# KiCad board panel.opm-inline.kicad_pcb (continued)
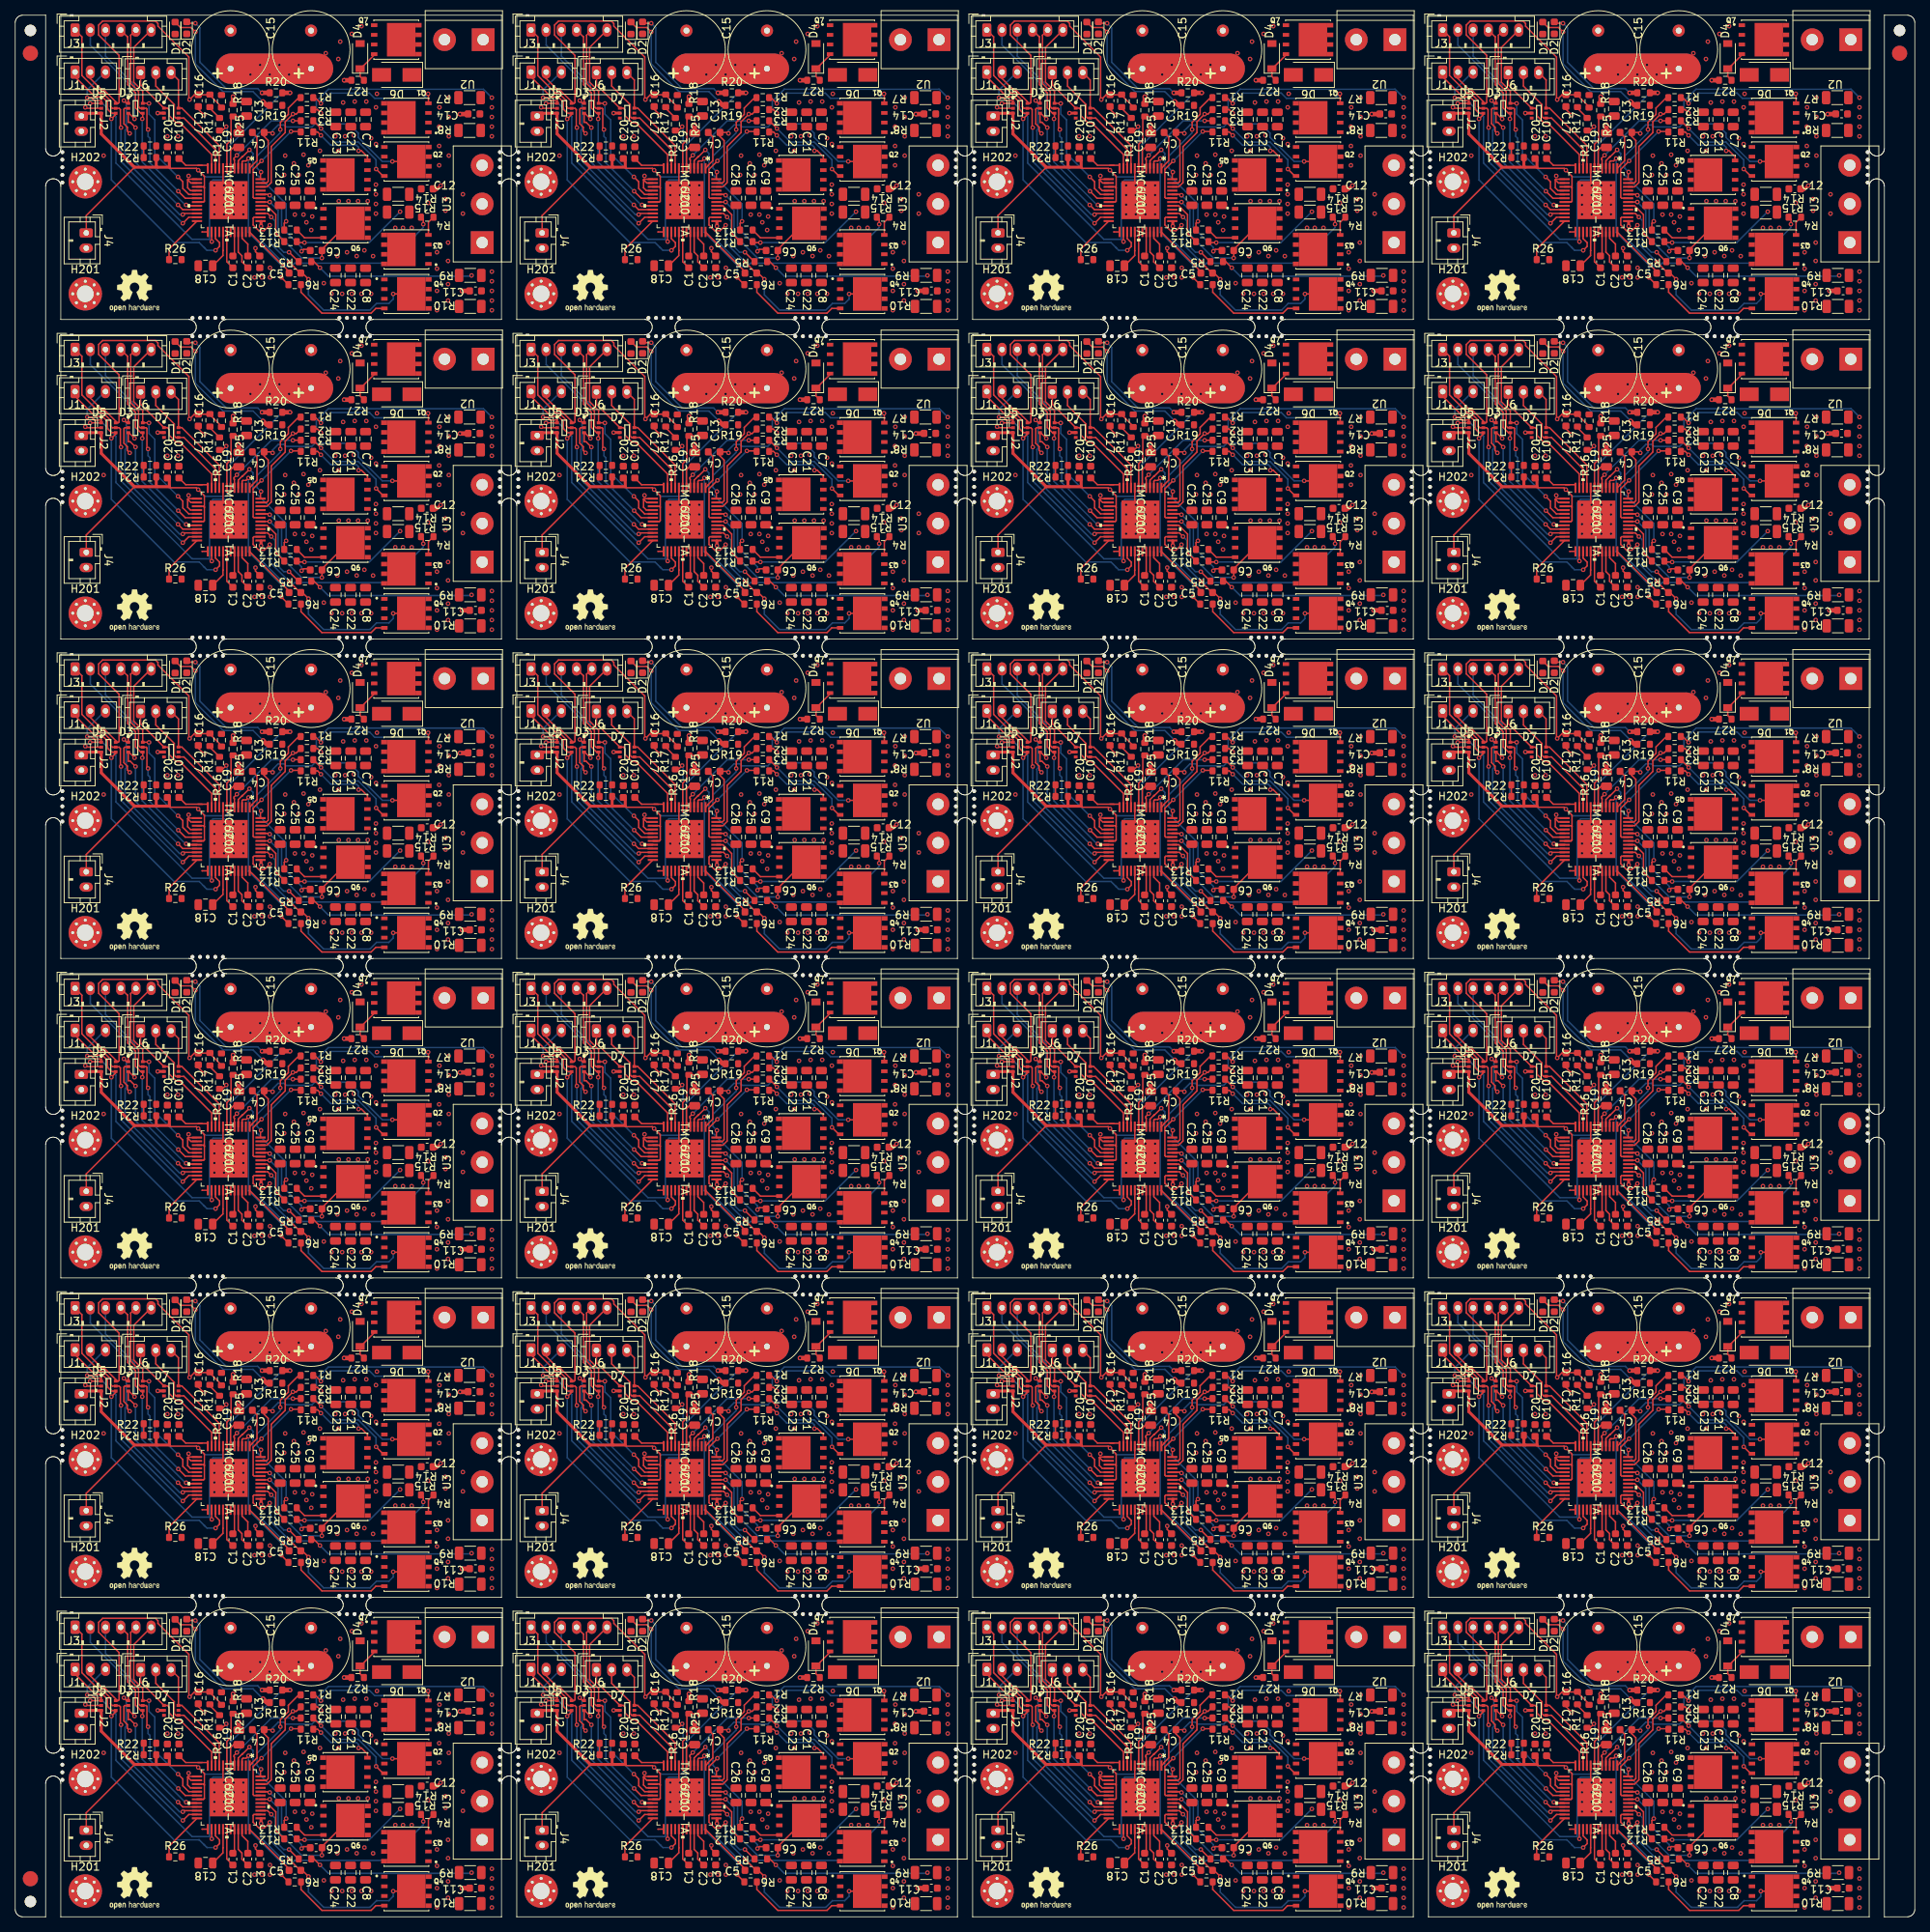
[diagram p0: board, top side]
## Routing (per net, layer and track width the routed paths; a pad name or vN(x,y) marks a point on that pad's centre or on a via; arc(x,y) is an arc through that point) (continued)
Board_8-/Motor Driver/VOFS: length 4.7
  Top w0.2: 24.04,146.25 25.31,146.25 ; C10.1 22.42,146.25 24.58,146.25
Board_8-/TEMP_PCB: length 42.5
  Top w0.2: 13.21,161.14 13.2,161.15 ; 13.2,161.15 13.66,160.69 13.66,154.5 13.55,154.39 D5#24.6 13.21,154.61 11.78,156.05 11.48,156.05 9.87,157.65 J1#11.2 ; 13.2,161.15 10.97,163.38 10.97,164.67 11.5,165.2 18.45,165.2 18.77,164.88 18.77,164.54 22.84,160.47 22.84,154.97 v1(22.93,154.88) 23.57,155.52 C17.1 25.57,155.52 R17#9.2 25.6,155.45 27.12,153.93
Board_8-/U: length 27.2
  Top w0.2: R2#22.1 39.74,153.57 v1(40.2,153.1)
  Bottom w0.2: v1(62.68,155.14) 61.57,156.24 41.18,156.24 39.6,154.66 39.6,153.7 v1(40.2,153.1)
  vias: v1(62.68,153.87) v1(62.68,152.6) v1(62.68,151.33) v1(62.68,150.06)
Board_8-/UH: length 27.5
  Top w0.2: v1(21.41,144.72) 22.04,144.09 22.04,143.2 22.82,142.42 IC1#23.17 ; 17.87,163.67 J3#16.6 15.59,161.74 15.59,157.17 16.77,155.99 D3#8.6 17.58,154.39 v1(17.6,154.37)
  Bottom w0.2: v1(17.6,154.37) 17.6,152.98 18.36,152.22 18.36,147.77 v1(21.41,144.72)
Board_8-/UL: length 27.4
  Top w0.2: v1(17.47,150.94) 17.32,151.1 17.32,153.64 17.22,153.74 D3#8.5 16.43,153.74 16.22,153.95 16.22,155.95 16.07,156.09 16.07,156.12 15.19,157 15.19,163.34 J3#16.5 ; IC1#23.18 22.36,141.92 v1(21.44,142.84)
  Bottom w0.2: v1(17.47,150.94) 17.47,150.06 17.72,149.8 17.72,146.55 v1(21.44,142.84)
Board_8-/V: length 15.3
  Top w0.2: R12#12.1 37.15,136.09 v1(38.04,136.09)
  Bottom w0.2: v1(50.62,140.15) 46.55,136.09 v1(38.04,136.09)
  vias: v1(54.3,141.29) v1(56.59,141.8) v1(56.59,140.28) v1(58.87,142.44) v1(58.87,139.9)
Board_8-/VH: length 30.4
  Top w0.2: v1(22.48,141.04) 22.6,140.92 IC1#23.20 23.03,140.92 ; D3#8.4 16.51,153.09 15.82,153.78 15.82,155.77 15.42,156.17 15.42,156.21 14.79,156.84 14.79,163.14 14.76,163.14 J3#16.4 ; D3#8.4 16.57,153.09 ; D3#8.4 16.77,152.28
  Bottom w0.2: 16.71,152.21 16.71,146.68 22.48,140.92 22.29,140.92 22.29,141.03 ; 14.42,163.48 J3#16.4
  vias: v1(16.71,152.34)
Board_8-/VL: length 32.1
  Top w0.2: IC1#23.21 22.03,140.42 v1(21.41,141.04) ; v1(15.69,152.34) 14.94,153.09 D3#8.3 ; 14.93,153.03 D3#8.3 ; D3#8.3 14.87,151.89 15.12,151.89 v1(15.82,151.2)
  Bottom w0.2: v1(15.69,152.34) 15.69,156.79 11.87,160.61 J3#16.3 ; v1(21.41,141.04) 15.82,146.63 v1(15.82,151.2)
Board_8-/VSA: length 5
  Top w0.2: C18#20.1 27.32,134.39 27.32,135.03 27.33,135.04 IC1#23.29
Board_8-/W: length 21.9
  Top w0.2: 38.96,133.8 38.93,133.78 ; R5#2.1 39.28,133.58 v1(40.08,132.78)
  Bottom w0.2: v1(40.08,132.78) 41.18,131.68 59.92,131.68 v1(60.01,131.77)
  vias: v1(62.68,132.28) v1(62.68,131.01) v1(62.68,129.74) v1(62.68,128.47) v1(62.68,127.2)
Board_8-/WH: length 33.7
  Top w0.2: v1(14.29,154.75) 14.66,154.39 D3#8.1 ; IC1#23.22 22.19,139.92 v1(22.04,139.77) ; D3#8.1 14.8,154.45 ; D3#8.1 14.87,155.2 v1(15.06,155.39)
  Bottom w0.2: 14.91,146.48 21.62,139.77 v1(22.04,139.77) ; 14.91,146.48 14.46,146.93 14.46,150.85 14.59,150.99 14.59,154.45 v1(14.29,154.75) ; 14.91,146.48 14.8,146.58 ; 13.51,158.4 13.31,158.6 ; 13.31,158.6 9.87,162.04 J3#16.2 ; 13.31,158.6 14.71,157.2 ; 14.8,157.11 14.71,157.2 ; 14.71,157.2 15.06,156.86 v1(15.06,155.39)
Board_8-/WL: length 34.8
  Top w0.2: IC1#23.23 22.83,139.42 v1(22.04,138.63) ; v1(13.91,151.2) 13.83,151.28 13.83,153.57 13.66,153.74 D5#24.5 12.76,153.74 12.54,153.97 12.54,154.72 11.61,155.65 11.17,155.65 8.77,158.05 8.77,163.13 J3#16.1 7.89,164.03
  Bottom w0.2: v1(22.04,138.63) 13.91,146.75 v1(13.91,151.2) ; 7.87,163.48 J3#16.1
Board_8-GND: length 31.2
  Top w0.2: 59.54,152.98 C14#2.2 ; C17.2 24.07,153.61 v1(24.84,152.85) ; D5#24.2 9.34,153.74 v1(9.21,153.87) ; 24.58,137.48 24.59,137.49 IC1#23.25 25.33,137.38 ; 29.83,143.42 IC1#23.EPAD ; IC1#23.EPAD 27.33,142.42 IC1#23.8 ; IC1#23.EPAD 25.83,139.42 ; v1(15.06,150.44) 14.76,150.74 14.76,151.24 14.29,151.71 14.29,153.61 14.42,153.74 D3#8.2 ; C3#18.2 31.59,134.89 v1(31.59,135.35) ; 18.74,153.1 v1(18.74,153.1) ; IC1#23.13 22.75,144.42 22.68,144.34 ; IC1#23.14 23.1,143.92 22.68,144.34 ; 22.68,144.34 22.68,143.29 23.05,142.92 IC1#23.16
  Top w0.4: 54.95,143.07 55.44,143.07 v1(55.95,143.58) ; D7#16.2 18.74,153.1
  Top w0.6: v1(43.25,157.42) R27#7.2 ; v1(58.74,129.74) C11#23.2 ; v1(58.49,152.98) 59.54,152.98 ; C19#3.2 v1(29.41,151.58)
  vias: v1(11.63,147.52) v1(20.01,150.06) v1(21.41,150.06) v1(22.8,144.85) v1(26.19,143.61) v1(26.19,142.34) v1(26.19,141.07) v1(26.19,139.8) v1(27.46,143.61) v1(27.46,142.34) v1(27.46,141.07) v1(27.46,139.8) v1(28.73,143.61) v1(28.73,142.34) v1(28.73,141.07) v1(28.73,139.8) v1(30,143.61) v1(30,142.34) v1(30,141.07) v1(30,139.8) v1(36.77,139.77) v1(37.92,139.77) v1(38.3,138.75) v1(38.93,137.74) v1(39.06,139.51) v1(40.58,130.75) v1(41.6,129.35) v1(42.11,150.06) v1(43,129.35) v1(43.38,150.06) v1(44.27,129.35) v1(44.52,150.18) v1(45.54,129.35) v1(46.81,149.8) v1(46.81,129.35) v1(47.44,149.04)
Board_8-Net-(C1-Pad1): length 5
  Top w0.2: IC1#23.30 27.83,133.57 C1#22.1
Board_8-Net-(C1-Pad2): length 3.2
  Top w0.2: C1#22.2 28.83,134.54 IC1#23.32
Board_8-Net-(C2-Pad2): length 3.5
  Top w0.2: IC1#23.34 29.83,136.65 30.59,135.89 C2#8.2
Board_8-Net-(C4-Pad1): length 31
  Top w0.2: C4#17.1 32.74,150.09 ; C4#17.1 33.73,150.56 v1(33.85,150.44) ; C4#17.1 32.74,150.03 33.27,149.49 33.27,144.14 33.05,143.92 IC1#23.47 ; v1(49.6,146.75) 49.61,146.75 Q2#23.5
  Bottom w0.2: v1(33.85,150.44) 33.85,150.82 34.58,151.54 35.34,151.54 35.6,151.29 39.03,151.29 39.42,151.68 43.91,151.68 45.12,150.47 45.12,149.91 48.28,146.75 v1(49.6,146.75)
  vias: v1(55.79,153.87) v1(55.75,151.33) v1(55.75,148.79) v1(55.75,146.25) v1(57.02,155.14) v1(57.02,152.6) v1(57.02,150.06) v1(57.02,147.52)
Board_8-Net-(C4-Pad2): length 5.4
  Top w0.2: C4#17.2 31.79,149.96 31.79,146.85 31.19,146.25 31.19,146.2 IC1#23.1
Board_8-Net-(C5-Pad1): length 7.4
  Top w0.2: IC1#23.36 30.83,137.46 36.01,132.28
Board_8-Net-(C5-Pad2): length 31.7
  Top w0.2: v1(49.71,129.34) Q4#22.5 ; v1(38.56,131.27) 37.76,132.08 C5#11.2 ; v1(33.47,138.37) 32.74,137.64 32.04,137.64 31.29,138.4 31.29,139.3 31.41,139.42 IC1#23.38 ; 37.56,132.28 37.28,132.28 v1(36.01,133.55)
  Bottom w0.2: v1(33.47,138.37) 33.57,138.27 33.57,135.99 v1(36.01,133.55) ; v1(49.71,129.34) 49.71,128.65 49.14,128.08 47.51,128.08 46.64,127.22 40.56,127.22 38.56,129.21 v1(38.56,131.27)
  vias: v1(55.46,134.82) v1(55.46,132.66) v1(55.46,129.74) v1(55.46,127.2) v1(56.92,136.09) v1(56.92,133.67) v1(56.92,130.62) v1(56.92,128.47)
Board_8-Net-(C6-Pad1): length 19.3
  Top w0.2: v1(33.47,141.42) 33.47,141.42 IC1#23.42 ; Q6#6.5 43.77,138.63 40.34,135.2 40.34,134.07 v1(40.33,134.05)
  Bottom w0.2: v1(33.47,141.42) 34.57,140.32 34.57,137.15 37.66,134.05 v1(40.33,134.05)
  vias: v1(42.55,141.54) v1(43.82,141.54) v1(45.09,141.54) v1(46.36,141.54) v1(47.43,143.71) v1(47.43,142.44) v1(47.43,141.17) v1(47.43,139.9)
Board_8-Net-(C6-Pad2): length 12.4
  Top w0.2: v1(37.66,134.94) 37.92,135.2 38.79,135.2 ; v1(33.47,142.31) 33.36,142.42 IC1#23.44 33.11,142.42
  Bottom w0.2: v1(37.66,134.94) 37.66,135.45 35.03,138.08 35.03,140.75 v1(33.47,142.31)
Board_8-Net-(D1-Pad2): length 19.4
  Top w0.2: R19#15.1 33.09,154.12 ; D1#13.2 21.74,164.36 23.11,164.36 v1(23.69,163.77)
  Top w0.6: 33.09,154.12 v1(32.58,154.63)
  Bottom w0.2: v1(23.69,163.77) 23.69,159.58 27.34,155.93 31.28,155.93 v1(32.58,154.63)
Board_8-Net-(D2-Pad2): length 17.4
  Top w0.2: v1(23.69,164.91) 22.73,164.91 D2#6.2
  Top w0.6: R20#13.1 v1(32.46,155.77)
  Bottom w0.2: v1(23.69,164.91) 24.29,164.31 24.29,159.79 27.75,156.33 31.89,156.33 v1(32.46,155.77)
Board_8-Net-(D4-Pad1): length 4.4
  Top w0.2: 45.41,158.95 47.21,160.75 Q7#14.4 ; D4#5.1 45.36,157.92 R27#7.1
Board_8-Net-(IC1-Pad3): length 20.6
  Top w0.2: v1(30.68,147.13) 30.36,146.82 29.95,146.82 29.83,146.7 IC1#23.3 ; v1(35,131.51) 35,131.49 R6#17.2
  Bottom w0.2: v1(30.68,147.13) 30.68,137.43 35,133.11 v1(35,131.51)
Board_8-Net-(IC1-Pad4): length 16.7
  Top w0.2: 29.83,147.35 29.92,147.43 ; 29.83,147.35 29.33,146.85 IC1#23.4 29.33,146.66 ; 29.83,147.35 29.87,147.35 v1(30.8,148.28) ; v1(35.63,138.88) 35.38,138.63 R13.2
  Bottom w0.2: v1(35.63,138.88) 35.63,141.17 31.28,145.52 31.28,147.8 v1(30.8,148.28)
Board_8-Net-(IC1-Pad5): length 12.2
  Top w0.2: v1(29.15,147.56) 28.77,147.18 28.77,147.01 28.83,146.95 IC1#23.5 ; R3#5.2 36.53,152.1 v1(36.52,152.09)
  Bottom w0.2: v1(29.15,147.56) 33.68,152.09 v1(36.52,152.09)
Board_8-Net-(IC1-Pad24): length 6.6
  Top w0.2: R26#5.1 20.23,135.24 IC1#23.24
Board_8-Net-(IC1-Pad37): length 28.9
  Top w0.2: v1(53.66,138.5) 53.66,139.12 R4#12.2 ; 32.33,138.85 IC1#23.37
  Top w0.4: v1(32.33,138.24) 32.33,138.85
  Bottom w0.2: v1(53.66,138.5) 53.66,138.07 48.97,133.38 36.74,133.38 36.3,132.95 35.72,132.95 32.33,136.34 v1(32.33,138.24)
Board_8-Net-(IC1-Pad39): length 9.3
  Top w0.2: 37.28,133.78 37.05,133.78 v1(36.01,134.82) ; v1(33.67,139.44) 33.2,139.92 IC1#23.39
  Bottom w0.2: v1(33.67,139.44) 34.17,138.94 34.17,135.95 35.31,134.82 v1(36.01,134.82)
Board_8-Net-(IC1-Pad41): length 6.5
  Top w0.2: IC1#23.41 33.11,140.92 34.27,139.76 34.27,137.32 R12#12.2
Board_8-Net-(IC1-Pad43): length 13.1
  Top w0.2: IC1#23.43 31.41,141.92 31.29,142.04 31.29,145.71 v1(32.39,146.82) ; v1(36.27,150.69) 37.49,150.69 R11#3.2
  Bottom w0.2: v1(32.39,146.82) v1(36.27,150.69)
Board_8-Net-(IC1-Pad46): length 13.1
  Top w0.2: IC1#23.46 33.11,143.42 33.67,143.97 33.67,148.71 35.5,150.55 35.5,151.96 36.52,152.98 v1(36.52,152.98) 36.96,152.98 R2#22.2
Board_8-Net-(IC1-Pad48): length 13.8
  Top w0.2: R1#10.2 37.28,155.14 35.92,153.77 35.92,152.94 34.87,151.89 v1(34.87,150.94) ; v1(32.33,145.36) 32.26,145.29 IC1#23.48
  Bottom w0.2: v1(34.87,150.94) 34.87,150.52 31.79,147.44 31.79,145.89 v1(32.33,145.36) 32.33,145.61
Board_8-Net-(Q1-Pad4): length 17.8
  Top w0.2: Q1#8.4 54.34,155.6 v1(54.3,155.64) ; R1#10.1 39.44,155.14 v1(40.2,154.37)
  Bottom w0.2: v1(54.3,155.64) 53.7,155.04 47.28,155.04 46.59,155.74 41.56,155.74 v1(40.2,154.37)
Board_8-Net-(Q2-Pad4): length 13.2
  Top w0.2: v1(47.46,145.75) 48.37,144.84 Q2#23.4 ; 40.33,150.97 v1(40.21,151.08) R3#5.1
  Bottom w0.2: v1(47.46,145.75) 47.46,146.96 45.12,149.29 42,149.29 v1(40.21,151.08)
Board_8-Net-(Q3-Pad4): length 2.6
  Top w0.2: R4#12.1 54.34,138.76 Q3#17.4
Board_8-Net-(Q4-Pad4): length 13.5
  Top w0.2: Q4#22.4 47.42,127.43 46.81,126.81 40.33,126.81 37.58,129.56 R6#17.1 37.78,130.56
Board_8-Net-(Q5-Pad4): length 9.2
  Top w0.2: v1(40.2,150.18) 39.76,150.63 R11#3.1 ; Q5#3.4 46.32,147.37 45.54,148.15 v1(45.16,148.15)
  Bottom w0.2: v1(40.2,150.18) 41.5,148.89 44.88,148.89 45.16,148.6 v1(45.16,148.15)
Board_8-Net-(Q6-Pad4): length 3.9
  Top w0.2: R13.1 38.04,136.72 Q6#6.4
Board_8-Net-(R16-Pad2): length 2
  Top w0.2: R16#6.2 25.6,153.74 R17#9.1
Board_9-/+VM: length 61.7
  Top w0.2: IC1#13.33 89.28,134.83 89.77,134.35 89.77,133.55 C2#5.1
  Top w0.6: R25#24.2 v1(88.6,155.26)
  Top w4: 88.34,158.95 99.77,158.95
  In1.Cu w4: 88.6,158.95 98.4,158.95
  In2.Cu w4: 88.34,158.95 99.77,158.95 88.34,158.95
  Bottom w4: 88.34,158.95 99.77,158.95
  vias: v1(90.88,158.18) v1(91.41,131.51) v1(92.15,159.45) v1(92.38,131.51) v1(93.42,158.18) v1(93.45,132.78) v1(93.45,131.51) v1(94.69,159.45) v1(95.33,144.98) v1(95.45,147.52) v1(95.96,158.18) v1(96.6,146.5) v1(97.23,159.45) v1(97.23,144.98) v1(97.87,147.64) v1(98.5,146.25) v1(100.03,148.15) v1(100.79,160.98) v1(102.31,134.32) v1(102.44,160.22) v1(102.44,148.15) v1(102.69,162.5) v1(103.07,154.5) v1(103.58,134.82) v1(104.22,163.52) v1(104.6,154.63) v1(104.85,134.32) v1(105.49,164.53) v1(105.87,135.07) v1(106.12,154.63) v1(107.01,134.31) v1(107.39,153.87) v1(107.52,155.64) v1(109.93,138.03) v1(110.95,138.03) v1(112.09,138.03)
Board_9-/ADC_I_u: length 15.5
  Top w0.2: IC1#13.9 86.78,148.84 81.87,153.75 D7#2.6 81.42,157.46 J6#22.3
Board_9-/ADC_I_v: length 17.7
  Top w0.2: 86.22,146.33 86.28,146.27 IC1#13.10 86.28,148.31 82.13,152.45 D7#2.4 81.08,152.45 80.87,152.66 80.87,154.23 78.44,156.66 J6#22.2 78.94,157.93
Board_9-/ADC_I_w: length 17
  Top w0.2: IC1#13.11 85.78,147.66 81.61,151.83 81.13,151.83 80.21,152.75 80.21,153.51 79.97,153.75 D7#2.1 76.44,156.84 J6#22.1
Board_9-/Connectors/VOFS: length 1.8
  Top w0.2: R22#19.1 R21#14.2 ; 76.53,147.13 76.85,147.13
Board_9-/DRV_EN: length 38.5
  Top w0.2: v1(72.59,152.34) 73.16,152.91 D5#6.4 72.61,153.09 72.09,153.61 72.09,154.56 71.39,155.25 70.45,155.25 67.82,157.88 J1.1 ; v1(86.3,135.07) 86.82,135.59 86.82,136.08 86.28,136.61 IC1#13.27 86.28,137.07 86.3,137.05
  Bottom w0.2: 84.79,135.45 84.91,135.32 ; 84.79,135.45 84.15,136.09 80.83,136.09 72.59,144.32 v1(72.59,152.34) ; 84.79,135.45 85.17,135.07 v1(86.3,135.07)
Board_9-/FAULT: length 63.4
  Top w0.2: v1(69.8,154.37) 69.82,154.39 D5#6.1 71.26,154.7 ; 71.32,154.75 70.38,154.75 70,155.14 v1(69.42,155.14) ; v1(85.8,136.21) 85.78,136.23 IC1#13.26
  Top w0.6: R20#12.2 v1(96.09,155.77)
  Bottom w0.2: 73.1,152.72 72.88,152.94 ; 73.1,152.72 73.19,152.63 73.19,146.54 83.22,136.51 85.5,136.51 ; 73.1,152.72 71.45,154.37 v1(69.8,154.37) ; 85.5,136.51 v1(85.8,136.21) ; 85.5,136.51 85.5,143.85 85.97,144.32 88,144.32 88.23,144.56 88.23,148.93 R20#12.2 v1(96.09,155.77) ; J1.3 71.76,158.5 69.42,156.15 v1(69.42,155.14)
Board_9-/Motor Driver/VOFS: length 4.7
  Top w0.2: 83.99,146.25 85.26,146.25 ; C10#3.1 82.37,146.25 84.53,146.25
Board_9-/TEMP_PCB: length 42.5
  Top w0.2: 73.16,161.14 73.15,161.15 ; 73.15,161.15 73.61,160.69 73.61,154.5 73.5,154.39 D5#6.6 73.16,154.61 71.73,156.05 71.43,156.05 69.82,157.65 J1.2 ; 73.15,161.15 70.92,163.38 70.92,164.67 71.45,165.2 78.4,165.2 78.72,164.88 78.72,164.54 82.79,160.47 82.79,154.97 v1(82.88,154.88) 83.52,155.52 C17#21.1 85.52,155.52 R17#15.2 85.55,155.45 87.07,153.93
Board_9-/U: length 27.2
  Top w0.2: R2#23.1 99.69,153.57 v1(100.15,153.1)
  Bottom w0.2: v1(122.63,155.14) 121.52,156.24 101.14,156.24 99.55,154.66 99.55,153.7 v1(100.15,153.1)
  vias: v1(122.63,153.87) v1(122.63,152.6) v1(122.63,151.33) v1(122.63,150.06)
Board_9-/UH: length 27.5
  Top w0.2: v1(81.36,144.72) 81.99,144.09 81.99,143.2 82.77,142.42 IC1#13.17 ; 77.82,163.67 J3#23.6 75.54,161.74 75.54,157.17 76.72,155.99 D3#13.6 77.53,154.39 v1(77.55,154.37)
  Bottom w0.2: v1(77.55,154.37) 77.55,152.98 78.31,152.22 78.31,147.77 v1(81.36,144.72)
Board_9-/UL: length 27.4
  Top w0.2: v1(77.42,150.94) 77.27,151.1 77.27,153.64 77.17,153.74 D3#13.5 76.38,153.74 76.17,153.95 76.17,155.95 76.02,156.09 76.02,156.12 75.14,157 75.14,163.34 J3#23.5 ; IC1#13.18 82.31,141.92 v1(81.39,142.84)
  Bottom w0.2: v1(77.42,150.94) 77.42,150.06 77.67,149.8 77.67,146.55 v1(81.39,142.84)
Board_9-/V: length 15.3
  Top w0.2: R12#9.1 97.1,136.09 v1(97.99,136.09)
  Bottom w0.2: v1(110.57,140.15) 106.5,136.09 v1(97.99,136.09)
  vias: v1(114.25,141.29) v1(116.54,141.8) v1(116.54,140.28) v1(118.82,142.44) v1(118.82,139.9)
Board_9-/VH: length 30.4
  Top w0.2: v1(82.43,141.04) 82.55,140.92 IC1#13.20 82.98,140.92 ; D3#13.4 76.46,153.09 75.77,153.78 75.77,155.77 75.37,156.17 75.37,156.21 74.74,156.84 74.74,163.14 74.71,163.14 J3#23.4 ; D3#13.4 76.52,153.09 ; D3#13.4 76.72,152.28
  Bottom w0.2: 76.66,152.21 76.66,146.68 82.43,140.92 82.24,140.92 82.24,141.03 ; 74.37,163.48 J3#23.4
  vias: v1(76.66,152.34)
Board_9-/VL: length 32.1
  Top w0.2: IC1#13.21 81.98,140.42 v1(81.36,141.04) ; v1(75.64,152.34) 74.9,153.09 D3#13.3 ; 74.88,153.03 D3#13.3 ; D3#13.3 74.82,151.89 75.07,151.89 v1(75.77,151.2)
  Bottom w0.2: v1(75.64,152.34) 75.64,156.79 71.82,160.61 J3#23.3 ; v1(81.36,141.04) 75.77,146.63 v1(75.77,151.2)
Board_9-/VSA: length 5
  Top w0.2: C18#10.1 87.27,134.39 87.27,135.03 87.28,135.04 IC1#13.29
Board_9-/W: length 21.9
  Top w0.2: 98.91,133.8 98.88,133.78 ; R5#3.1 99.23,133.58 v1(100.03,132.78)
  Bottom w0.2: v1(100.03,132.78) 101.13,131.68 119.87,131.68 v1(119.97,131.77)
  vias: v1(122.63,132.28) v1(122.63,131.01) v1(122.63,129.74) v1(122.63,128.47) v1(122.63,127.2)
Board_9-/WH: length 33.7
  Top w0.2: v1(74.25,154.75) 74.61,154.39 D3#13.1 ; IC1#13.22 82.14,139.92 v1(81.99,139.77) ; D3#13.1 74.75,154.45 ; D3#13.1 74.82,155.2 v1(75.01,155.39)
  Bottom w0.2: 74.86,146.48 81.57,139.77 v1(81.99,139.77) ; 74.86,146.48 74.41,146.93 74.41,150.85 74.55,150.99 74.55,154.45 v1(74.25,154.75) ; 74.86,146.48 74.75,146.58 ; 73.46,158.4 73.26,158.6 ; 73.26,158.6 69.82,162.04 J3#23.2 ; 73.26,158.6 74.66,157.2 ; 74.75,157.11 74.66,157.2 ; 74.66,157.2 75.01,156.86 v1(75.01,155.39)
Board_9-/WL: length 34.8
  Top w0.2: IC1#13.23 82.78,139.42 v1(81.99,138.63) ; v1(73.86,151.2) 73.78,151.28 73.78,153.57 73.61,153.74 D5#6.5 72.71,153.74 72.49,153.97 72.49,154.72 71.56,155.65 71.12,155.65 68.72,158.05 68.72,163.13 J3#23.1 67.84,164.03
  Bottom w0.2: v1(81.99,138.63) 73.86,146.75 v1(73.86,151.2) ; 67.82,163.48 J3#23.1
Board_9-GND: length 31.2
  Top w0.2: 119.49,152.98 C14#17.2 ; C17#21.2 84.02,153.61 v1(84.79,152.85) ; D5#6.2 69.29,153.74 v1(69.17,153.87) ; 84.53,137.48 84.54,137.49 IC1#13.25 85.28,137.38 ; 89.78,143.42 IC1#13.EPAD ; IC1#13.EPAD 87.28,142.42 IC1#13.8 ; IC1#13.EPAD 85.78,139.42 ; v1(75.01,150.44) 74.71,150.74 74.71,151.24 74.25,151.71 74.25,153.61 74.37,153.74 D3#13.2 ; C3#5.2 91.54,134.89 v1(91.54,135.35) ; IC1#13.13 82.7,144.42 82.63,144.34 ; IC1#13.14 83.05,143.92 82.63,144.34 ; 82.63,144.34 82.63,143.29 83,142.92 IC1#13.16
  Top w0.4: 114.9,143.07 115.39,143.07 v1(115.9,143.58) ; D7#2.2 v1(78.69,153.1)
  Top w0.6: v1(103.2,157.42) R27#22.2 ; v1(118.7,129.74) C11#14.2 ; v1(118.44,152.98) 119.49,152.98 ; C19#13.2 v1(89.36,151.58)
  vias: v1(71.58,147.52) v1(79.96,150.06) v1(81.36,150.06) v1(82.75,144.85) v1(86.14,143.61) v1(86.14,142.34) v1(86.14,141.07) v1(86.14,139.8) v1(87.41,143.61) v1(87.41,142.34) v1(87.41,141.07) v1(87.41,139.8) v1(88.68,143.61) v1(88.68,142.34) v1(88.68,141.07) v1(88.68,139.8) v1(89.95,143.61) v1(89.95,142.34) v1(89.95,141.07) v1(89.95,139.8) v1(96.72,139.77) v1(97.87,139.77) v1(98.25,138.75) v1(98.88,137.74) v1(99.01,139.51) v1(100.53,130.75) v1(101.55,129.35) v1(102.06,150.06) v1(102.95,129.35) v1(103.33,150.06) v1(104.22,129.35) v1(104.47,150.18) v1(105.49,129.35) v1(106.76,149.8) v1(106.76,129.35) v1(107.39,149.04)
Board_9-Net-(C1-Pad1): length 5
  Top w0.2: IC1#13.30 87.78,133.57 C1#15.1
Board_9-Net-(C1-Pad2): length 3.2
  Top w0.2: C1#15.2 88.78,134.54 IC1#13.32
Board_9-Net-(C2-Pad2): length 3.5
  Top w0.2: IC1#13.34 89.78,136.65 90.54,135.89 C2#5.2
Board_9-Net-(C4-Pad1): length 31
  Top w0.2: C4.1 92.69,150.09 ; C4.1 93.68,150.56 v1(93.8,150.44) ; C4.1 92.69,150.03 93.22,149.49 93.22,144.14 93,143.92 IC1#13.47 ; v1(109.55,146.75) 109.56,146.75 Q2#10.5
  Bottom w0.2: v1(93.8,150.44) 93.8,150.82 94.53,151.54 95.29,151.54 95.55,151.29 98.98,151.29 99.37,151.68 103.86,151.68 105.07,150.47 105.07,149.91 108.23,146.75 v1(109.55,146.75)
  vias: v1(115.7,151.33) v1(115.7,148.79) v1(115.7,146.25) v1(115.74,153.87) v1(116.97,155.14) v1(116.97,152.6) v1(116.97,150.06) v1(116.97,147.52)
Board_9-Net-(C4-Pad2): length 5.4
  Top w0.2: C4.2 91.74,149.96 91.74,146.85 91.14,146.25 91.14,146.2 IC1#13.1
Board_9-Net-(C5-Pad1): length 7.4
  Top w0.2: IC1#13.36 90.78,137.46 95.96,132.28
Board_9-Net-(C5-Pad2): length 31.7
  Top w0.2: v1(109.66,129.34) Q4#14.5 ; v1(98.52,131.27) 97.71,132.08 C5#8.2 ; v1(93.42,138.37) 92.7,137.64 91.99,137.64 91.24,138.4 91.24,139.3 91.36,139.42 IC1#13.38 ; 97.51,132.28 97.23,132.28 v1(95.96,133.55)
  Bottom w0.2: v1(93.42,138.37) 93.52,138.27 93.52,135.99 v1(95.96,133.55) ; v1(109.66,129.34) 109.66,128.65 109.09,128.08 107.46,128.08 106.59,127.22 100.51,127.22 98.52,129.21 v1(98.52,131.27)
  vias: v1(115.41,134.82) v1(115.41,132.66) v1(115.41,129.74) v1(115.41,127.2) v1(116.87,136.09) v1(116.87,133.67) v1(116.87,130.62) v1(116.87,128.47)
Board_9-Net-(C6-Pad1): length 19.3
  Top w0.2: v1(93.42,141.42) 93.42,141.42 IC1#13.42 ; Q6#20.5 103.72,138.63 100.29,135.2 100.29,134.07 v1(100.28,134.05)
  Bottom w0.2: v1(93.42,141.42) 94.52,140.32 94.52,137.15 97.61,134.05 v1(100.28,134.05)
  vias: v1(102.5,141.54) v1(103.77,141.54) v1(105.04,141.54) v1(106.31,141.54) v1(107.38,143.71) v1(107.38,142.44) v1(107.38,141.17) v1(107.38,139.9)
Board_9-Net-(C6-Pad2): length 12.4
  Top w0.2: v1(97.61,134.94) 97.87,135.2 98.74,135.2 ; v1(93.42,142.31) 93.32,142.42 IC1#13.44 93.06,142.42
  Bottom w0.2: v1(97.61,134.94) 97.61,135.45 94.98,138.08 94.98,140.75 v1(93.42,142.31)
Board_9-Net-(D1-Pad2): length 19.4
  Top w0.2: R19#21.1 93.04,154.12 ; D1#21.2 81.69,164.36 83.06,164.36 v1(83.64,163.77)
  Top w0.6: 93.04,154.12 v1(92.53,154.63)
  Bottom w0.2: v1(83.64,163.77) 83.64,159.58 87.29,155.93 91.23,155.93 v1(92.53,154.63)
Board_9-Net-(D2-Pad2): length 17.4
  Top w0.2: v1(83.64,164.91) 82.68,164.91 D2#9.2
  Top w0.6: R20#12.1 v1(92.41,155.77)
  Bottom w0.2: v1(83.64,164.91) 84.24,164.31 84.24,159.79 87.7,156.33 91.84,156.33 v1(92.41,155.77)
Board_9-Net-(D4-Pad1): length 4.4
  Top w0.2: 105.36,158.95 107.16,160.75 Q7#2.4 ; D4#4.1 105.31,157.92 R27#22.1
Board_9-Net-(IC1-Pad3): length 20.6
  Top w0.2: v1(90.63,147.13) 90.31,146.82 89.9,146.82 89.78,146.7 IC1#13.3 ; v1(94.95,131.51) 94.95,131.49 R6#2.2
  Bottom w0.2: v1(90.63,147.13) 90.63,137.43 94.95,133.11 v1(94.95,131.51)
Board_9-Net-(IC1-Pad4): length 16.7
  Top w0.2: 89.78,147.35 89.87,147.43 ; 89.78,147.35 89.28,146.85 IC1#13.4 89.28,146.66 ; 89.78,147.35 89.82,147.35 v1(90.76,148.28) ; v1(95.58,138.88) 95.33,138.63 R13#16.2
  Bottom w0.2: v1(95.58,138.88) 95.58,141.17 91.23,145.52 91.23,147.8 v1(90.76,148.28)
Board_9-Net-(IC1-Pad5): length 12.2
  Top w0.2: v1(89.1,147.56) 88.72,147.18 88.72,147.01 88.78,146.95 IC1#13.5 ; R3#19.2 96.48,152.1 v1(96.47,152.09)
  Bottom w0.2: v1(89.1,147.56) 93.63,152.09 v1(96.47,152.09)
Board_9-Net-(IC1-Pad24): length 6.6
  Top w0.2: R26#6.1 80.18,135.24 IC1#13.24
Board_9-Net-(IC1-Pad37): length 28.9
  Top w0.2: v1(113.62,138.5) 113.62,139.12 R4#18.2 ; 92.28,138.85 IC1#13.37
  Top w0.4: v1(92.28,138.24) 92.28,138.85
  Bottom w0.2: v1(113.62,138.5) 113.62,138.07 108.92,133.38 96.69,133.38 96.25,132.95 95.67,132.95 92.28,136.34 v1(92.28,138.24)
Board_9-Net-(IC1-Pad39): length 9.3
  Top w0.2: 97.23,133.78 97,133.78 v1(95.96,134.82) ; v1(93.62,139.44) 93.15,139.92 IC1#13.39
  Bottom w0.2: v1(93.62,139.44) 94.12,138.94 94.12,135.95 95.26,134.82 v1(95.96,134.82)
Board_9-Net-(IC1-Pad41): length 6.5
  Top w0.2: IC1#13.41 93.06,140.92 94.22,139.76 94.22,137.32 R12#9.2
Board_9-Net-(IC1-Pad43): length 13.1
  Top w0.2: IC1#13.43 91.36,141.92 91.24,142.04 91.24,145.71 v1(92.34,146.82) ; v1(96.22,150.69) 97.44,150.69 R11#17.2
  Bottom w0.2: v1(92.34,146.82) v1(96.22,150.69)
Board_9-Net-(IC1-Pad46): length 13.1
  Top w0.2: IC1#13.46 93.06,143.42 93.62,143.97 93.62,148.71 95.45,150.55 95.45,151.96 96.47,152.98 v1(96.47,152.98) 96.91,152.98 R2#23.2
Board_9-Net-(IC1-Pad48): length 13.8
  Top w0.2: R1#11.2 97.23,155.14 95.87,153.77 95.87,152.94 94.82,151.89 v1(94.82,150.94) ; v1(92.28,145.36) 92.21,145.29 IC1#13.48
  Bottom w0.2: v1(94.82,150.94) 94.82,150.52 91.74,147.44 91.74,145.89 v1(92.28,145.36) 92.28,145.61
Board_9-Net-(Q1-Pad4): length 17.8
  Top w0.2: Q1#16.4 114.29,155.6 v1(114.25,155.64) ; R1#11.1 99.39,155.14 v1(100.15,154.37)
  Bottom w0.2: v1(114.25,155.64) 113.65,155.04 107.23,155.04 106.54,155.74 101.52,155.74 v1(100.15,154.37)
Board_9-Net-(Q2-Pad4): length 13.2
  Top w0.2: v1(107.41,145.75) 108.32,144.84 Q2#10.4 ; 100.28,150.97 v1(100.16,151.08) R3#19.1
  Bottom w0.2: v1(107.41,145.75) 107.41,146.96 105.07,149.29 101.95,149.29 v1(100.16,151.08)
Board_9-Net-(Q3-Pad4): length 2.6
  Top w0.2: R4#18.1 114.29,138.76 Q3#21.4
Board_9-Net-(Q4-Pad4): length 13.5
  Top w0.2: Q4#14.4 107.37,127.43 106.76,126.81 100.28,126.81 97.53,129.56 R6#2.1 97.73,130.56
Board_9-Net-(Q5-Pad4): length 9.2
  Top w0.2: v1(100.15,150.18) 99.71,150.63 R11#17.1 ; Q5#8.4 106.27,147.37 105.49,148.15 v1(105.11,148.15)
  Bottom w0.2: v1(100.15,150.18) 101.45,148.89 104.83,148.89 105.11,148.6 v1(105.11,148.15)
Board_9-Net-(Q6-Pad4): length 3.9
  Top w0.2: R13#16.1 97.99,136.72 Q6#20.4
Board_9-Net-(R16-Pad2): length 2
  Top w0.2: R16#19.2 85.55,153.74 R17#15.1
Board_10-/+VM: length 61.7
  Top w0.2: IC1#4.33 149.23,134.83 149.72,134.35 149.72,133.55 C2#23.1
  Top w0.6: R25#22.2 v1(148.55,155.26)
  Top w4: 148.29,158.95 159.72,158.95
  In1.Cu w4: 148.55,158.95 158.35,158.95
  In2.Cu w4: 148.29,158.95 159.72,158.95 148.29,158.95
  Bottom w4: 148.29,158.95 159.72,158.95
  vias: v1(150.83,158.18) v1(151.36,131.51) v1(152.1,159.45) v1(152.33,131.51) v1(153.37,158.18) v1(153.4,132.78) v1(153.4,131.51) v1(154.64,159.45) v1(155.28,144.98) v1(155.4,147.52) v1(155.91,158.18) v1(156.55,146.5) v1(157.18,159.45) v1(157.18,144.98) v1(157.82,147.64) v1(158.45,146.25) v1(159.98,148.15) v1(160.74,160.98) v1(162.26,134.32) v1(162.39,160.22) v1(162.39,148.15) v1(162.64,162.5) v1(163.02,154.5) v1(163.53,134.82) v1(164.17,163.52) v1(164.55,154.63) v1(164.8,134.32) v1(165.44,164.53) v1(165.82,135.07) v1(166.07,154.63) v1(166.96,134.31) v1(167.34,153.87) v1(167.47,155.64) v1(169.88,138.03) v1(170.9,138.03) v1(172.04,138.03)
Board_10-/ADC_I_u: length 15.5
  Top w0.2: IC1#4.9 146.73,148.84 141.82,153.75 D7#17.6 141.37,157.46 J6#2.3